# Altium PCB PuttPilot-Master.PcbDoc (part 1 of 2) (continued)
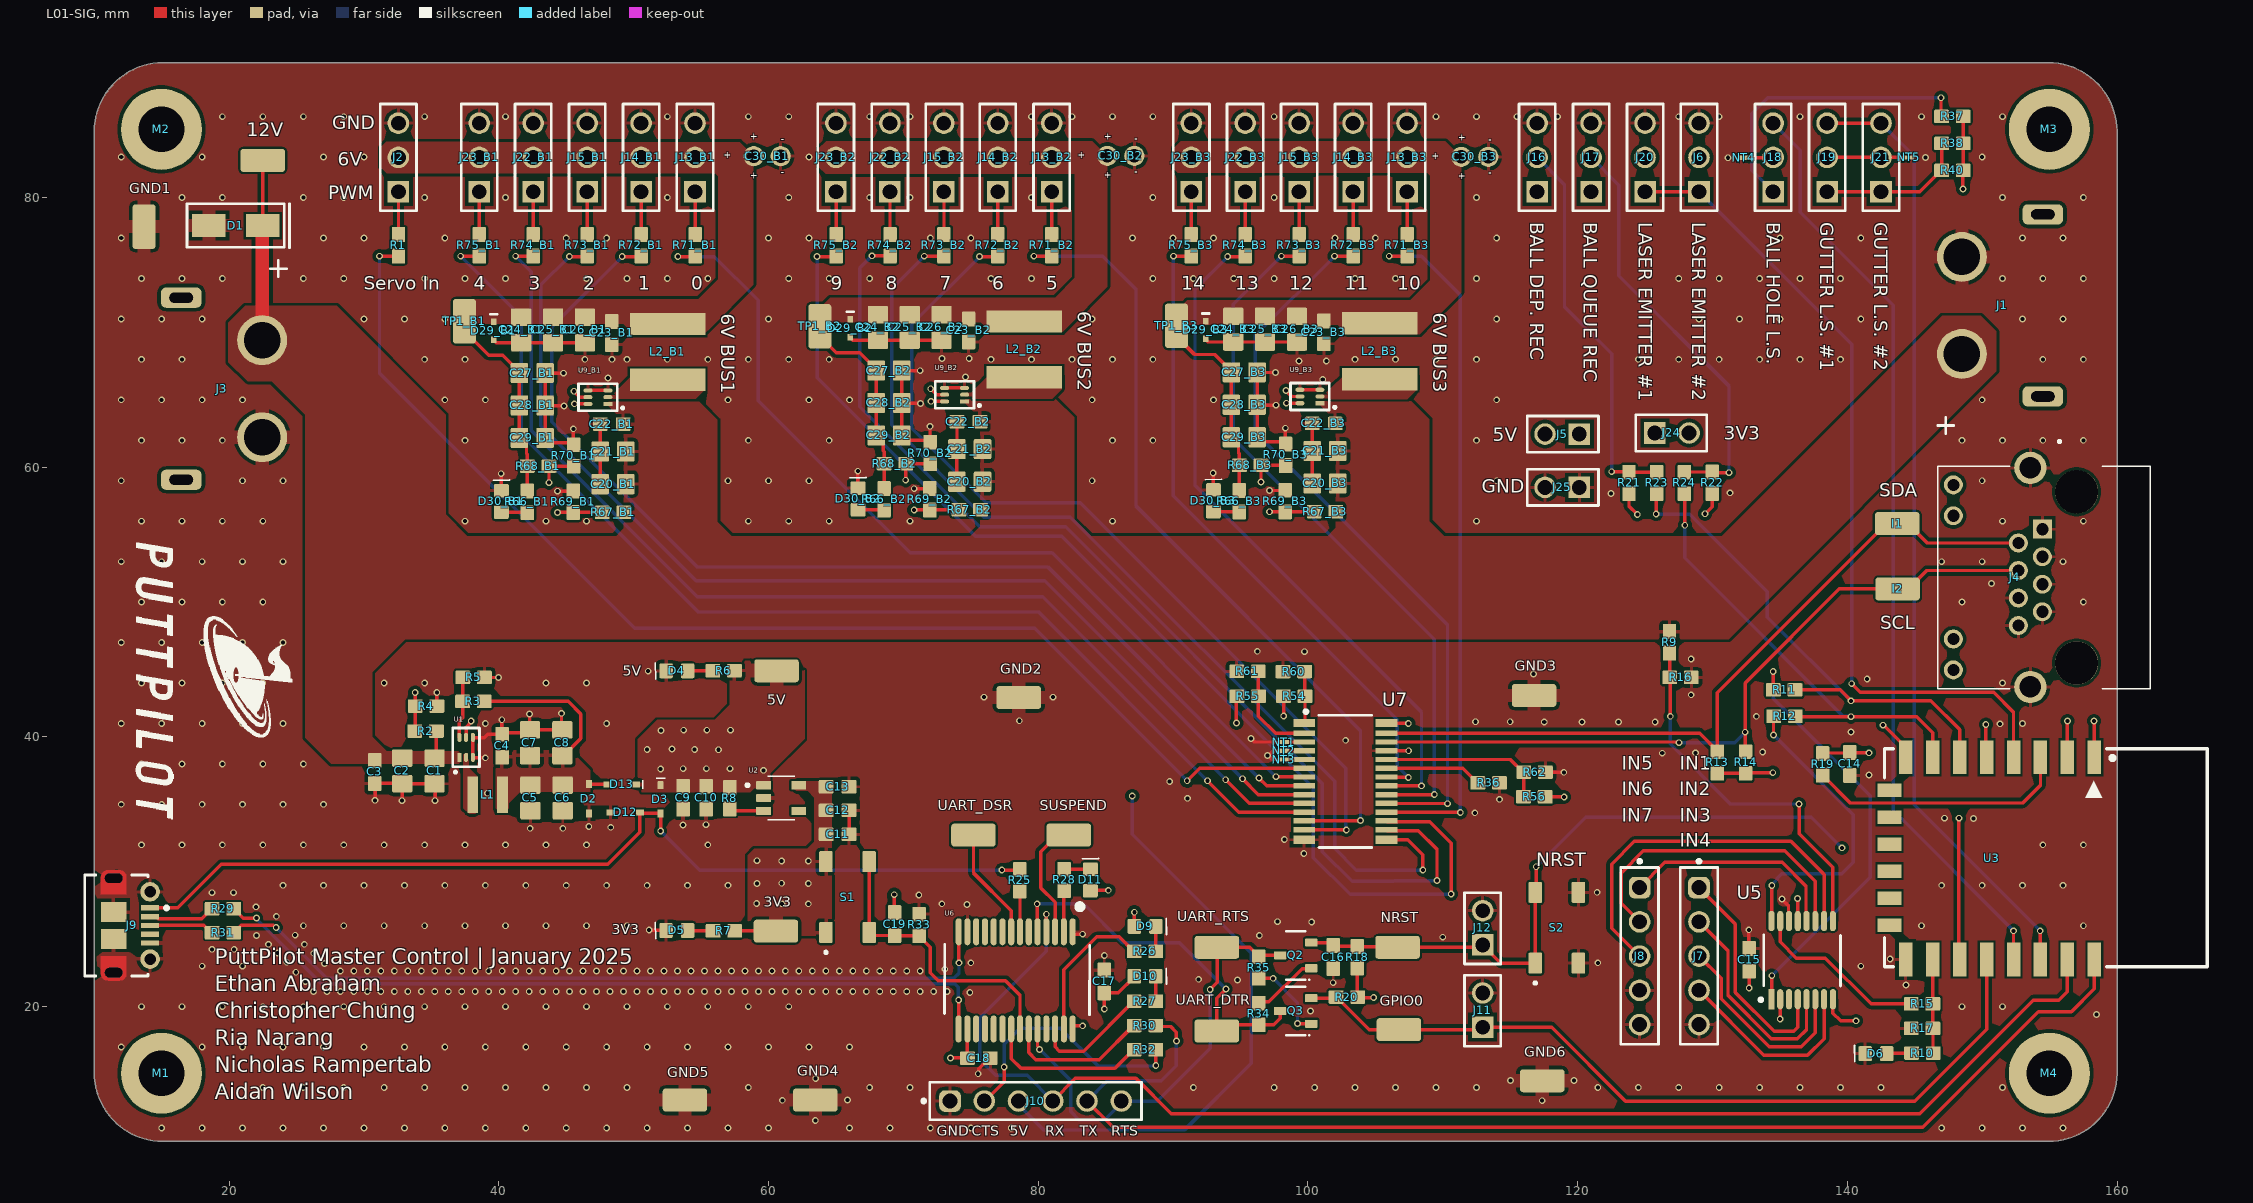
[diagram p0: L01-SIG view]
## Part data (continued)
C9 C10 C12 C13: "CAP CER 1uF 25V X7R 0603", Capacitance=1uF, Capacitor Type=Ceramic, Manufacturer=Murata, Max Operating Temperature=125°C, Min Operating Temperature=-55°C, Negative Tolerance=10%, Package Shape=Rectangular, Rated DC Voltage (URdc)=25V, Supplier Part Number 1=6183026, Temperature Characteristics Code=X7R, Category="Ceramic Capacitors", ComponentLink1Description=https://datasheet.ciiva.com:443/pdfs/VipMasterIC/IC/MURE/MURE-S-A0004410517/MURE-S-A0004413605-1.pdf?src-supplier=IHS+Markit, ComponentLink1URL=https://datasheet.ciiva.com:443/pdfs/VipMasterIC/IC/MURE/MURE-S-A0004410517/MURE-S-A0004413605-1.pdf?src-supplier=IHS+Markit, ComponentLink2Description=http://www.farnell.com/datasheets/2165962.pdf?src-supplier=Farnell, ComponentLink2URL=http://www.farnell.com/datasheets/2165962.pdf?src-supplier=Farnell, ComponentLink3Description=https://datasheet.octopart.com/GRT188R71E105KE13D-Murata-datasheet-149523601.pdf?src-supplier=Farnell, ComponentLink3URL=https://datasheet.octopart.com/GRT188R71E105KE13D-Murata-datasheet-149523601.pdf?src-supplier=Farnell, ComponentLink4Description=https://datasheet.octopart.com/GRT188R71E105KE13D-Murata-datasheet-67697754.pdf?src-supplier=Newark, ComponentLink4URL=https://datasheet.octopart.com/GRT188R71E105KE13D-Murata-datasheet-67697754.pdf?src-supplier=Newark, ComponentLink5Description=https://datasheet.octopart.com/GRT188R71E105KE13D-Murata-datasheet-165579666.pdf?src-supplier=TME, ComponentLink5URL=https://datasheet.octopart.com/GRT188R71E105KE13D-Murata-datasheet-165579666.pdf?src-supplier=TME, Dielectric Material=Ceramic, JESD-609 Code=e3, Manufacturer Part Number=GRT188R71E105KE13D, Mount="Surface Mount", Multilayer=Yes, Number of Pins=2, Packaging="Tape and Reel", Positive Tolerance=10%, Pricing 1="4000=0.0164, 12000=0.0158, 20000=0.0155, 80000=0.0148, 120000=0.0144 (USD)", Reach SVHC Compliant=Yes, Reference Standard=AEC-Q200, RoHS=Yes, RoHS Compliant=Yes, Size Code=0603, Stock 1=236000, Supplier 1="Future Electronics", Terminal Finish=Nickel, Termination=Wraparound
C19: "CAP CER 0.01uF 100V X7R", Capacitance=10nF, Case Code (Imperial)=0603, Case Code (Metric)=1608, Dielectric=X7R, Manufacturer=Murata, Max Operating Temperature=125°C, Min Operating Temperature=-55°C, Package Quantity=1, Ratings=AEC-Q200, Supplier Part Number 1=5029232, Tolerance=10%, Voltage=100V, Case/Package=0603, Category="Ceramic Capacitors", ComponentLink1Description=https://datasheet.ciiva.com/132/product-132907.pdf?src-supplier=Digikey, ComponentLink1URL=https://datasheet.ciiva.com/132/product-132907.pdf?src-supplier=Digikey, ComponentLink2Description=https://datasheet.ciiva.com/132/product-132908.pdf?src-supplier=Digikey, ComponentLink2URL=https://datasheet.ciiva.com/132/product-132908.pdf?src-supplier=Digikey, ComponentLink3Description=https://datasheet.ciiva.com/132/product-132909.pdf?src-supplier=Digikey, ComponentLink3URL=https://datasheet.ciiva.com/132/product-132909.pdf?src-supplier=Digikey, ComponentLink4Description=https://datasheet.ciiva.com/16497/product-16497251.pdf?src-supplier=Future+Electronics, ComponentLink4URL=https://datasheet.ciiva.com/16497/product-16497251.pdf?src-supplier=Future+Electronics, ComponentLink5Description=https://datasheet.ciiva.com/18183/getdatasheetpartid-178890-18183651.pdf?src-supplier=Verical, ComponentLink5URL=https://datasheet.ciiva.com/18183/getdatasheetpartid-178890-18183651.pdf?src-supplier=Verical, ComponentLink6Description=https://datasheet.ciiva.com/11786/0900766b80ef92d0-11786108.pdf?src-supplier=Rs, ComponentLink6URL=https://datasheet.ciiva.com/11786/0900766b80ef92d0-11786108.pdf?src-supplier=Rs, ComponentLink7Description=https://datasheet.ciiva.com/11619/product-11619719.pdf?src-supplier=Avnet, ComponentLink7URL=https://datasheet.ciiva.com/11619/product-11619719.pdf?src-supplier=Avnet, Construction=Flat, Depth=0.8mm, Height=0.8mm, Lead Free="Lead Free", Length=1.6mm, Manufacturer Part Number=GCM188R72A103KA37D, Material=Ceramic, Mount="Surface Mount", Packaging="Tape and Reel", Pricing 1="4000=0.0077, 16000=0.0074, 60000=0.0071, 100000=0.007, 200000=0.0068 (USD)", Radiation Hardening=No, Reach SVHC Compliant=No, RoHS=Yes, RoHS Compliant=Yes, Series=GCM, Stock 1=4568000, Supplier 1="Future Electronics", Termination=SMD/SMT, Thickness=0.035inch, Voltage Rating=100V, Voltage Rating (DC)=100V, Width=0.031inch
C30_B1 C30_B2 C30_B3: "CAP ALUM 100uF 10V RAD THT"
D1: "TVS DIODE 12VWM", Breakdown Voltage-Nom=14V, Clamping Voltage-Max=19.9V, Manufacturer=Diodes, Max Breakdown Voltage=14.7V, Max Operating Temperature=150°C, Max Power Dissipation=1W, Min Breakdown Voltage=13.3V, Min Operating Temperature=-55°C, Non-rep Peak Rev Power Dis-Max=400W, Package Body Material=Plastic, Package Shape=Rectangular, Package Style="SMALL OUTLINEMeter", Peak Reflow Temperature (Cel)=260°C, Rep Pk Reverse Voltage-Max=12V, Supplier Part Number 1=SMAJ12A-FDICT-ND, Time @ Peak Reflow Temperature-Max (s)=40s, Additional Feature="EXCELLENT CLAMPING CAPABILITY", Category="TVS Diodes", ComponentLink1Description=https://datasheet.ciiva.com:443/pdfs/VipMasterIC/IC/DIOD/DIOD-S-A0009689838/DIOD-S-A0009691421-1.pdf?src-supplier=IHS+Markit, ComponentLink1URL=https://datasheet.ciiva.com:443/pdfs/VipMasterIC/IC/DIOD/DIOD-S-A0009689838/DIOD-S-A0009691421-1.pdf?src-supplier=IHS+Markit, ComponentLink2Description=https://datasheet.ciiva.com/15143/getdatasheetpartid-164236-15143864.pdf?src-supplier=Verical, ComponentLink2URL=https://datasheet.ciiva.com/15143/getdatasheetpartid-164236-15143864.pdf?src-supplier=Verical, Diode Element Material=SILICON, Diode Type="TRANS VOLTAGE SUPPRESSOR", JESD-30 Code=R-PDSO-C2, JESD-609 Code=e3, Manufacturer Part Number=SMAJ12A-13-F, Moisture Sensitivity Level=1, Number of Elements=1, Number of Pins=2, Polarity=Unidirectional, Pricing 1="1=0.29, 10=0.197, 100=0.1322, 500=0.1019, 1000=0.09178, 2000=0.08313 (USD)", Qualification Status="Not Qualified", Reach SVHC Compliant=No, RoHS=Yes, RoHS Compliant=Yes, Stock 1=25706, Supplier 1=Digikey, Surface Mount=Yes, Technology=AVALANCHE, Terminal Finish=Tin, Terminal Form="C BEND", Terminal Position=DUAL
D2 D12: "TVS DIODE 5VWM", Manufacturer=Diodes, Max Breakdown Voltage=9.5V, Max Operating Temperature=150°C, Max Power Dissipation=250mW, Min Breakdown Voltage=5.5V, Min Operating Temperature=-65°C, Package Body Material=Plastic, Package Shape=Rectangular, Package Style="SMALL OUTLINEMeter", Rep Pk Reverse Voltage-Max=5V, Supplier Part Number 1=8076210, Category="TVS Diodes", ComponentLink1Description=https://datasheet.ciiva.com:443/pdfs/VipMasterIC/IC/DIOD/DIOD-S-A0002833665/DIOD-S-A0002833261-1.pdf?src-supplier=IHS+Markit, ComponentLink1URL=https://datasheet.ciiva.com:443/pdfs/VipMasterIC/IC/DIOD/DIOD-S-A0002833665/DIOD-S-A0002833261-1.pdf?src-supplier=IHS+Markit, ComponentLink2Description=http://www.farnell.com/datasheets/2814368.pdf?src-supplier=Farnell, ComponentLink2URL=http://www.farnell.com/datasheets/2814368.pdf?src-supplier=Farnell, ComponentLink3Description=http://www.mouser.com/ds/2/115/DESD5V0U1BA-756900.pdf?src-supplier=Mouser, ComponentLink3URL=http://www.mouser.com/ds/2/115/DESD5V0U1BA-756900.pdf?src-supplier=Mouser, ComponentLink4Description=http://www.farnell.com/datasheets/2814368.pdf?src-supplier=Element14, ComponentLink4URL=http://www.farnell.com/datasheets/2814368.pdf?src-supplier=Element14, ComponentLink5Description=http://www.farnell.com/datasheets/2814368.pdf?src-supplier=Newark, ComponentLink5URL=http://www.farnell.com/datasheets/2814368.pdf?src-supplier=Newark, ComponentLink6Description=https://www.diodes.com/assets/Datasheets/DESD5V0U1BA.pdf?src-supplier=Digikey, ComponentLink6URL=https://www.diodes.com/assets/Datasheets/DESD5V0U1BA.pdf?src-supplier=Digikey, Diode Element Material=SILICON, Diode Type="TRANS VOLTAGE SUPPRESSOR", JESD-30 Code=R-PDSO-G2, Manufacturer Part Number=DESD5V0U1BA-7, Number of Elements=1, Number of Pins=2, Polarity=Bidirectional, Pricing 1="3000=0.0283, 12000=0.0271, 30000=0.0263, 75000=0.0256, 120000=0.0244 (USD)", Reach SVHC Compliant=Yes, Reference Standard=IEC-61000-4-2, RoHS=Yes, RoHS Compliant=Yes, Stock 1=54000, Supplier 1="Future Electronics", Surface Mount=Yes, Technology=AVALANCHE, Terminal Form="Gull Wing", Terminal Position=DUAL
D3 D13: "DIODE SCHOTTKY 10V 3A SOD323", Max Current=3A, Max Voltage=10V
D4 D5 D6 D9 D10 D11 D30_B1 D30_B2 D30_B3: "LED GREEN 2V 0603", Color=Green, Forward Current-Max=30mA, Forward Voltage-Max=2.4V, Manufacturer="Vishay Lite-On", Max Operating Temperature=85°C, Min Operating Temperature=-55°C, Reverse Voltage-Max=5V, Supplier Part Number 1=160-1446-1-ND, Color@wavelength=Green, ComponentLink1Description=https://datasheet.ciiva.com:443/pdfs/VipMasterIC/IC/LITE/LITE-S-A0003156116/LITE-S-A0003156116-1.pdf?src-supplier=IHS+Markit, ComponentLink1URL=https://datasheet.ciiva.com:443/pdfs/VipMasterIC/IC/LITE/LITE-S-A0003156116/LITE-S-A0003156116-1.pdf?src-supplier=IHS+Markit, ComponentLink2Description=https://datasheet.ciiva.com/2109/ltst-c191kgkt-2109973.pdf?src-supplier=Digikey, ComponentLink2URL=https://datasheet.ciiva.com/2109/ltst-c191kgkt-2109973.pdf?src-supplier=Digikey, JESD-609 Code=e3, Lens Style="WATER CLEAR", Luminous Intensity-Nom=35mcd, Manufacturer Part Number=LTST-C191KGKT, Mount="Surface Mount", Number of Functions=1, Number of Pins=2, Optoelectronic Device Type="SINGLE COLOR LED", Overall Height=0.55mm, Packaging="Tape and Reel", Pricing 1="1=0.22, 10=0.121, 100=0.0721, 500=0.05324, 1000=0.04748, 2000=0.04278 (USD)", Reach SVHC Compliant=Yes, RoHS=Yes, RoHS Compliant=Yes, Shape=Rectangular, Size=1.1mm, Stock 1=171853, Supplier 1=Digikey, Terminal Finish=Tin, Terminal Pitch=1.5mm, Viewing Angle=130°
D29_B1 D29_B2 D29_B3: "DIODE TVS 6VWM", Clamping Voltage-Max=12.4V, Manufacturer="ON Semiconductor", Max Operating Temperature=150°C, Max Power Dissipation=200mW, Min Breakdown Voltage=6.8V, Min Operating Temperature=-55°C, Non-rep Peak Rev Power Dis-Max=181W, Package Body Material=Plastic, Package Shape=Rectangular, Package Style="SMALL OUTLINEMeter", Peak Reflow Temperature (Cel)=260°C, Rep Pk Reverse Voltage-Max=6V, Supplier Part Number 1=6072663, Time @ Peak Reflow Temperature-Max (s)=40s, Additional Feature="UL RECOGNIZED", Category="ESD and Circuit Protection ICs", ComponentLink1Description=https://datasheet.ciiva.com:443/pdfs/VipMasterIC/IC/ONSM/ONSM-S-A0006325923/ONSM-S-A0006325923-1.pdf?src-supplier=IHS+Markit, ComponentLink1URL=https://datasheet.ciiva.com:443/pdfs/VipMasterIC/IC/ONSM/ONSM-S-A0006325923/ONSM-S-A0006325923-1.pdf?src-supplier=IHS+Markit, ComponentLink2Description=https://datasheet.ciiva.com/30478/0900766b8125092b-30478790.pdf?src-supplier=Rs, ComponentLink2URL=https://datasheet.ciiva.com/30478/0900766b8125092b-30478790.pdf?src-supplier=Rs, ComponentLink3Description=https://datasheet.ciiva.com/4510/esd5z2-5t1-d-241596-4510609.pdf?src-supplier=Mouser, ComponentLink3URL=https://datasheet.ciiva.com/4510/esd5z2-5t1-d-241596-4510609.pdf?src-supplier=Mouser, ComponentLink4Description=https://datasheet.ciiva.com/15143/getdatasheetpartid-148103-15143777.pdf?src-supplier=Verical, ComponentLink4URL=https://datasheet.ciiva.com/15143/getdatasheetpartid-148103-15143777.pdf?src-supplier=Verical, ComponentLink5Description=https://datasheet.ciiva.com/22642/1878252-22642024.pdf?src-supplier=Element14, ComponentLink5URL=https://datasheet.ciiva.com/22642/1878252-22642024.pdf?src-supplier=Element14, ComponentLink6Description=https://datasheet.ciiva.com/340/esd5z2-5t1-d-340699.pdf?src-supplier=Digikey, ComponentLink6URL=https://datasheet.ciiva.com/340/esd5z2-5t1-d-340699.pdf?src-supplier=Digikey, ComponentLink7Description=https://datasheet.ciiva.com/340/esd5z2-5t1-d-340700.pdf?src-supplier=Digikey, ComponentLink7URL=https://datasheet.ciiva.com/340/esd5z2-5t1-d-340700.pdf?src-supplier=Digikey, ComponentLink8Description=https://datasheet.ciiva.com/340/esd5z2-5t1-d-340701.pdf?src-supplier=Digikey, ComponentLink8URL=https://datasheet.ciiva.com/340/esd5z2-5t1-d-340701.pdf?src-supplier=Digikey, ComponentLink9Description=https://datasheet.ciiva.com/3304/esd5z2-5t1-d-3304009.pdf?src-supplier=Avnet, ComponentLink9URL=https://datasheet.ciiva.com/3304/esd5z2-5t1-d-3304009.pdf?src-supplier=Avnet, Diode Element Material=SILICON, Diode Type="TRANS VOLTAGE SUPPRESSOR", JESD-30 Code=R-PDSO-F2, JESD-609 Code=e3, Manufacturer Part Number=ESD5Z6.0T1G, Moisture Sensitivity Level=1, Number of Elements=1, Number of Pins=2, Polarity=Unidirectional, Pricing 1="3000=0.0199, 12000=0.0191, 45000=0.0183, 75000=0.018, 150000=0.0171 (USD)", Qualification Status="Not Qualified", Reach SVHC Compliant=Yes, Reference Standard=IEC-61000-4-2, RoHS=Yes, RoHS Compliant=Yes, Stock 1=543000, Supplier 1="Future Electronics", Surface Mount=Yes, Technology=AVALANCHE, Terminal Finish=Tin, Terminal Form=Flat, Terminal Position=DUAL
J1 J3: "XT60PW Male", Manufacturer=Unclassified, Supplier Part Number 1=1805375, Manufacturer Part Number=XT60PW-M
J2 J6 J13_B1 J13_B2 J13_B3 J14_B1 J14_B2 J14_B3 J15_B1 J15_B2 J15_B3 J16 J17 J18 J19 J20 J21 J22_B1 J22_B2 J22_B3 J23_B1 J23_B2 J23_B3: "CONN HEADER VERT 3POS 2.54MM", Manufacturer=Sullins, Manufacturer Series=PRP, Max Operating Temperature=105°C, Min Operating Temperature=-40°C, Rated Current (Signal)=3A, Supplier Part Number 1=S1011EC-02-ND, Body Breadth=0.1inch, Body Depth=0.1inch, Body Length=4inch, Category="Headers and Wire Housings", ComponentLink1Description=https://datasheet.ciiva.com:443/pdfs/VipMasterIC/IC/SUCS/SUCSS00322/SUCSS00322-1.pdf?src-supplier=IHS+Markit, ComponentLink1URL=https://datasheet.ciiva.com:443/pdfs/VipMasterIC/IC/SUCS/SUCSS00322/SUCSS00322-1.pdf?src-supplier=IHS+Markit, ComponentLink2Description=https://datasheet.ciiva.com/16477/prpc040saan-rc-16477647.pdf?src-supplier=Future+Electronics, ComponentLink2URL=https://datasheet.ciiva.com/16477/prpc040saan-rc-16477647.pdf?src-supplier=Future+Electronics, ComponentLink3Description=https://datasheet.ciiva.com/741/xrxczzzsxxn-rc-st-11635-b-741205.pdf?src-supplier=Digikey, ComponentLink3URL=https://datasheet.ciiva.com/741/xrxczzzsxxn-rc-st-11635-b-741205.pdf?src-supplier=Digikey, Connector Type="BOARD CONNECTOR", Contact Finish - Mating="AU ON NI", Contact Finish - Termination="Gold (Au) - with Nickel (Ni) barrier", Contact Gender=Male, Contact Material=Brass, Contact Pattern=RECTANGULAR, Contact Style="SQ PIN-SKT", Insulation Material=Polybutylene, JESD-609 Code=e4, Manufacturer Part Number=PRPC040SAAN-RC, Mating Contact Pitch=0.1inch, Mount=Board, Mounting Style=STRAIGHT, Number Of Connectors=1, Number of Contacts=40, Number Of PCB Rows=1, Number of Rows Loaded=1, PCB Contact Pattern=RECTANGULAR, Pricing 1="1=0.42, 10=0.316, 100=0.2417, 500=0.2017, 1000=0.18701, 5000=0.15795, 10000=0.14845 (USD)", Reach SVHC Compliant=Yes, Reference Standard=UL, Reliability=COMMERCIAL, RoHS=Yes, RoHS Compliant=Yes, Stock 1=73516, Supplier 1=Digikey, Terminal Length=0.12inch, Terminal Pitch=2.54mm, Termination=Solder
J4: "RJ45 JACK R/A SHIELDED", Manufacturer="Adam Equipment", Supplier Part Number 1=2057-MTJ-88ARX1-FSM-LG-ND, Category=Connectors, ComponentLink1Description=http://www.adam-tech.com/downloader.php?p=MTJ-88ARX1-FSM-LX.pdf&src-supplier=Digikey, ComponentLink1URL=http://www.adam-tech.com/downloader.php?p=MTJ-88ARX1-FSM-LX.pdf&src-supplier=Digikey, Manufacturer Part Number=MTJ-88ARX1-FSM-LG, Pricing 1="1=0.99, 10=0.756, 25=0.68, 60=0.61483, 120=0.56858, 240=0.52642, 480=0.48815, 960=0.4534, 2400=0.41238 (USD)", RoHS=No, Stock 1=4560, Supplier 1=Digikey
J5 J11 J12 J24 J25: library part PRPC040SAAN-RC_POS2, "CONN HEADER VERT 2POS 2.54MM", Manufacturer=Sullins, Manufacturer Series=PRP, Max Operating Temperature=105°C, Min Operating Temperature=-40°C, Rated Current (Signal)=3A, Supplier Part Number 1=S1011EC-02-ND, Body Breadth=0.1inch, Body Depth=0.1inch, Body Length=4inch, Category="Headers and Wire Housings", ComponentLink1Description=https://datasheet.ciiva.com:443/pdfs/VipMasterIC/IC/SUCS/SUCSS00322/SUCSS00322-1.pdf?src-supplier=IHS+Markit, ComponentLink1URL=https://datasheet.ciiva.com:443/pdfs/VipMasterIC/IC/SUCS/SUCSS00322/SUCSS00322-1.pdf?src-supplier=IHS+Markit, ComponentLink2Description=https://datasheet.ciiva.com/16477/prpc040saan-rc-16477647.pdf?src-supplier=Future+Electronics, ComponentLink2URL=https://datasheet.ciiva.com/16477/prpc040saan-rc-16477647.pdf?src-supplier=Future+Electronics, ComponentLink3Description=https://datasheet.ciiva.com/741/xrxczzzsxxn-rc-st-11635-b-741205.pdf?src-supplier=Digikey, ComponentLink3URL=https://datasheet.ciiva.com/741/xrxczzzsxxn-rc-st-11635-b-741205.pdf?src-supplier=Digikey, Connector Type="BOARD CONNECTOR", Contact Finish - Mating="AU ON NI", Contact Finish - Termination="Gold (Au) - with Nickel (Ni) barrier", Contact Gender=Male, Contact Material=Brass, Contact Pattern=RECTANGULAR, Contact Style="SQ PIN-SKT", Insulation Material=Polybutylene, JESD-609 Code=e4, Manufacturer Part Number=PRPC040SAAN-RC, Mating Contact Pitch=0.1inch, Mount=Board, Mounting Style=STRAIGHT, Number Of Connectors=1, Number of Contacts=40, Number Of PCB Rows=1, Number of Rows Loaded=1, PCB Contact Pattern=RECTANGULAR, Pricing 1="1=0.42, 10=0.316, 100=0.2417, 500=0.2017, 1000=0.18701, 5000=0.15795, 10000=0.14845 (USD)", Reach SVHC Compliant=Yes, Reference Standard=UL, Reliability=COMMERCIAL, RoHS=Yes, RoHS Compliant=Yes, Stock 1=73516, Supplier 1=Digikey, Terminal Length=0.12inch, Terminal Pitch=2.54mm, Termination=Solder
J7 J8: "CONN HEADER VERT 5POS 2.54MM"
J9: "CONN USB MICRO B R/A", Contact Resistance=30mR, Dielectric Withstanding Voltage (AC)=100V, Insulation Resistance=1GR, Manufacturer=Molex, Max Operating Temperature=85°C, Min Operating Temperature=-30°C, Rated Current (Signal)=1.8A, Supplier Part Number 1=78R1699, Additional Feature=Shielded, Board Mounting Option=PEG, Body Breadth=0.114inch, Body Depth=0.213inch, Body Length=0.315inch, Body/Shell Style=RECEPTACLE, Category="USB Connectors", ComponentLink1Description=https://datasheet.ciiva.com:443/pdfs/VipMasterIC/IC/MOLE/MOLE-S-A0006795785/MOLE-S-A0006864883-1.pdf?src-supplier=IHS+Markit, ComponentLink1URL=https://datasheet.ciiva.com:443/pdfs/VipMasterIC/IC/MOLE/MOLE-S-A0006795785/MOLE-S-A0006864883-1.pdf?src-supplier=IHS+Markit, ComponentLink2Description=https://datasheet.ciiva.com/30165/235271050170001-io-nectors-30165183.pdf?src-supplier=Onlinecomponents.com, ComponentLink2URL=https://datasheet.ciiva.com/30165/235271050170001-io-nectors-30165183.pdf?src-supplier=Onlinecomponents.com, ComponentLink3Description=https://datasheet.ciiva.com/5742/1598502-5742508.pdf?src-supplier=Farnell, ComponentLink3URL=https://datasheet.ciiva.com/5742/1598502-5742508.pdf?src-supplier=Farnell, Connector Type="TELECOM AND DATACOM CONNECTOR", Contact Finish - Mating=GOLD, Contact Finish - Termination="Gold (Au) - with Nickel (Ni) barrier", Contact Gender=Female, Contact Material="Copper Alloy", Contact Style=USB, DIN Conformance=No, Durability=10000Cycles, Empty Shell=No, Filter Feature=No, IEC Conformance=No, Insulation Material=Polymer, JESD-609 Code=e4, Manufacturer Part Number=1050170001, MIL Conformance=No, Mixed Contacts=No, Mount=Cable, Mounting Option 1=DETENT, Mounting Option 2=LOCKING, Mounting Style="RIGHT ANGLE", Number Of Connectors=1, Number of Contacts=5, Number Of PCB Rows=1, Option="General Purpose", PCB Contact Pattern=RECTANGULAR, Polarization Key="POLARIZED HOUSING", Pricing 1="1=1.14, 25=0.962, 100=0.813, 250=0.812, 1000=0.663 (USD)", Reach SVHC Compliant=Yes, Reference Standard=UL, Reliability=COMMERCIAL, RoHS=Yes, RoHS Compliant=Yes, Shell Finish=Tin, Shell Material="Stainless Steel", Stock 1=6195, Supplier 1=Avnet, Terminal Pitch=0.635mm, Termination=SMD/SMT
J10: "CONN HEADER VERT 6POS 2.54MM"
L1: "FIXED IND 4.7uH 1.06A", Case/Size Code=1212, DC Resistance (DCR)=130m, Inductance-Nom (L)=4.7uH, Inductor Application="POWER INDUCTOR", Inductor Type="GENERAL PURPOSE INDUCTOR", Manufacturer="Taiyo Yuden", Max Operating Temperature=120°C, Min Operating Temperature=-25°C, Package Height=1.2mm, Package Length=3mm, Package Style=SMTMeter, Rated Current-Max=1.06A, Self Resonant Frequency=50MHz, Supplier Part Number 1=587-2591-1-ND, Test Frequency=100kHz, Tolerance=20%, Category="Fixed Inductors", ComponentLink1Description=https://datasheet.ciiva.com:443/pdfs/VipMasterIC/IC/TAIY/TAIY-S-A0009100136/TAIY-S-A0009100438-1.pdf?src-supplier=IHS+Markit, ComponentLink1URL=https://datasheet.ciiva.com:443/pdfs/VipMasterIC/IC/TAIY/TAIY-S-A0009100136/TAIY-S-A0009100438-1.pdf?src-supplier=IHS+Markit, ComponentLink2Description=https://datasheet.ciiva.com/6689/nrh3012t4r7mn-ss-6689125.pdf?src-supplier=Digikey, ComponentLink2URL=https://datasheet.ciiva.com/6689/nrh3012t4r7mn-ss-6689125.pdf?src-supplier=Digikey, ComponentLink3Description=https://datasheet.ciiva.com/25607/0900766b810b3cd2-25607859.pdf?src-supplier=Rs, ComponentLink3URL=https://datasheet.ciiva.com/25607/0900766b810b3cd2-25607859.pdf?src-supplier=Rs, ComponentLink4Description=https://datasheet.ciiva.com/8502/nrh3012t4r7mn-ss-8502637.pdf?src-supplier=Avnet, ComponentLink4URL=https://datasheet.ciiva.com/8502/nrh3012t4r7mn-ss-8502637.pdf?src-supplier=Avnet, ComponentLink5Description=https://datasheet.ciiva.com/8002/wound04-e-8002198.pdf?src-supplier=Element14, ComponentLink5URL=https://datasheet.ciiva.com/8002/wound04-e-8002198.pdf?src-supplier=Element14, Construction=Chip, Core Material=Ferrite, Manufacturer Part Number=NRH3012T4R7MN, Number of Functions=1, Number of Pins=2, Package Width=3mm, Packaging="Tape and Reel", Pricing 1="1=0.22, 10=0.174, 25=0.1572, 50=0.1458, 100=0.1351, 250=0.12216, 500=0.1132, 1000=0.10487 (USD)", Reach SVHC Compliant=Yes, RoHS=Yes, RoHS Compliant=Yes, Shape/Size Description="RECTANGULAR PACKAGE", Shielding=Shielded, Stock 1=136715, Supplier 1=Digikey, Surface Mount=Yes, Terminal Placement="Dual Ended", Termination="One Surface"
L2_B1 L2_B2 L2_B3: "FIXED IND 5.6uH 10A 15.8mOhm", Current Rating=10A, DC Resistance=15.8m, Inductance=5.6uH, Inductor Type="GENERAL PURPOSE INDUCTOR", Manufacturer=Bourns, Supplier Part Number 1=SRP6060FA-5R6MCT-ND, Category="Fixed Inductors", ComponentLink1Description=https://datasheet.ciiva.com:443/pdfs/VipMasterIC/IC/BOUR/BOUR-S-A0006601820/BOUR-S-A0006601820-1.pdf?src-supplier=IHS+Markit, ComponentLink1URL=https://datasheet.ciiva.com:443/pdfs/VipMasterIC/IC/BOUR/BOUR-S-A0006601820/BOUR-S-A0006601820-1.pdf?src-supplier=IHS+Markit, ComponentLink2Description=https://www.bourns.com/docs/Product-Datasheets/SRP6060FA.pdf?src-supplier=Digikey, ComponentLink2URL=https://www.bourns.com/docs/Product-Datasheets/SRP6060FA.pdf?src-supplier=Digikey, ComponentLink3Description=https://datasheet.octopart.com/SRP6060FA-5R6M-Bourns-datasheet-154834317.pdf?src-supplier=Electro+Sonic, ComponentLink3URL=https://datasheet.octopart.com/SRP6060FA-5R6M-Bourns-datasheet-154834317.pdf?src-supplier=Electro+Sonic, ComponentLink4Description=https://datasheet.octopart.com/SRP6060FA-5R6M-Bourns-datasheet-110646386.pdf?src-supplier=Master+Electronics, ComponentLink4URL=https://datasheet.octopart.com/SRP6060FA-5R6M-Bourns-datasheet-110646386.pdf?src-supplier=Master+Electronics, Manufacturer Part Number=SRP6060FA-5R6M, Pricing 1="1=1.86, 10=1.444, 25=1.3052, 50=1.209, 100=1.1199, 250=1.01164 (USD)", Reach SVHC Compliant=Yes, RoHS=Yes, RoHS Compliant=Yes, Stock 1=1553, Supplier 1=Digikey
M1 M2 M3 M4: ".HOLE M3"
NT1 NT2 NT3 NT4 NT5: ".GENERIC NET TIE"
Q2 Q3: "NPN BJT 40V 600mA SOT-23", Collector-emitter Voltage-Max=40V, DC Current Gain-Min (hFE)=40, Manufacturer=Diodes, Max Collector Current=600mA, Max Operating Temperature=150°C, Package Body Material=Plastic, Package Shape=Rectangular, Package Style="SMALL OUTLINEMeter", Peak Reflow Temperature (Cel)=260°C, Power Dissipation-Max (Abs)=300mW, Supplier Part Number 1=4135070, Time @ Peak Reflow Temperature-Max (s)=40s, Transition Frequency-Nom (fT)=300MHz, Additional Feature="HIGH RELIABILITY", Category=BJTs, ComponentLink1Description=https://datasheet.ciiva.com:443/pdfs/VipMasterIC/IC/DIOD/DIOD-S-A0001811952/DIOD-S-A0001811952-1.pdf?src-supplier=IHS+Markit, ComponentLink1URL=https://datasheet.ciiva.com:443/pdfs/VipMasterIC/IC/DIOD/DIOD-S-A0001811952/DIOD-S-A0001811952-1.pdf?src-supplier=IHS+Markit, ComponentLink2Description=https://datasheet.ciiva.com/15139/getdatasheetpartid-82692-15139078.pdf?src-supplier=Verical, ComponentLink2URL=https://datasheet.ciiva.com/15139/getdatasheetpartid-82692-15139078.pdf?src-supplier=Verical, ComponentLink3Description=https://datasheet.ciiva.com/11198/ds30041-11198965.pdf?src-supplier=Avnet, ComponentLink3URL=https://datasheet.ciiva.com/11198/ds30041-11198965.pdf?src-supplier=Avnet, ComponentLink4Description=https://datasheet.ciiva.com/11201/ds30041-11201864.pdf?src-supplier=Avnet, ComponentLink4URL=https://datasheet.ciiva.com/11201/ds30041-11201864.pdf?src-supplier=Avnet, ComponentLink5Description=https://datasheet.ciiva.com/972/ds30041-972550.pdf?src-supplier=Digikey, ComponentLink5URL=https://datasheet.ciiva.com/972/ds30041-972550.pdf?src-supplier=Digikey, ComponentLink6Description=https://datasheet.ciiva.com/972/ds30041-972551.pdf?src-supplier=Digikey, ComponentLink6URL=https://datasheet.ciiva.com/972/ds30041-972551.pdf?src-supplier=Digikey, ComponentLink7Description=https://datasheet.ciiva.com/972/ds30041-972552.pdf?src-supplier=Digikey, ComponentLink7URL=https://datasheet.ciiva.com/972/ds30041-972552.pdf?src-supplier=Digikey, ComponentLink8Description=https://datasheet.ciiva.com/16199/ds30041-16199045.pdf?src-supplier=Future+Electronics, ComponentLink8URL=https://datasheet.ciiva.com/16199/ds30041-16199045.pdf?src-supplier=Future+Electronics, ComponentLink9Description=https://datasheet.ciiva.com/8029/ds30041-8029709.pdf?src-supplier=Element14, ComponentLink9URL=https://datasheet.ciiva.com/8029/ds30041-8029709.pdf?src-supplier=Element14, JESD-30 Code=R-PDSO-G3, JESD-609 Code=e3, Manufacturer Part Number=MMBT2222A-7-F, Moisture Sensitivity Level=1, Number of Elements=1, Number of Pins=3, Polarity/Channel Type=NPN, Pricing 1="3000=0.013, 12000=0.0124, 30000=0.0121, 75000=0.0117, 120000=0.0112 (USD)", Qualification Status="Not Qualified", Reach SVHC Compliant=Yes, Reference Standard=AEC-Q101, RoHS=Yes, RoHS Compliant=Yes, Stock 1=6903000, Supplier 1="Future Electronics", Surface Mount=Yes, Terminal Finish=Tin, Terminal Form="Gull Wing", Terminal Position=DUAL, Transistor Application=SWITCHING, Transistor Element Material=SILICON, Turn-off Time-Max (toff)=285ns, Turn-on Time-Max (ton)=35ns
R1 R71_B1 R71_B2 R71_B3 R72_B1 R72_B2 R72_B3 R73_B1 R73_B2 R73_B3 R74_B1 R74_B2 R74_B3 R75_B1 R75_B2 R75_B3: "RES 240 OHM 0603", Manufacturer=Yageo, Max Operating Temperature=155°C, Min Operating Temperature=-55°C, Package Height=0.45mm, Package Length=1.6mm, Package Shape=Rectangular, Package Style=SMTMeter, Package Width=0.8mm, Rated Power Dissipation (P)=100mW, Rated Temperature=70°C, Resistance=240R, Resistor Type="FIXED RESISTOR", Supplier Part Number 1=5308184, Temperature Coefficient=100ppm/°C, Tolerance=1%, Working Voltage=75V, Additional Feature="LASER TRIMMABLE", Category="Chip SMD Resistors", ComponentLink1Description=https://datasheet.ciiva.com:443/pdfs/VipMasterIC/IC/YAGO/YAGO-S-A0008145938/YAGO-S-A0008145938-1.pdf?src-supplier=IHS+Markit, ComponentLink1URL=https://datasheet.ciiva.com:443/pdfs/VipMasterIC/IC/YAGO/YAGO-S-A0008145938/YAGO-S-A0008145938-1.pdf?src-supplier=IHS+Markit, ComponentLink2Description=https://datasheet.ciiva.com/2508/pyu-r-int-thick-7-2508497.pdf?src-supplier=Digikey, ComponentLink2URL=https://datasheet.ciiva.com/2508/pyu-r-int-thick-7-2508497.pdf?src-supplier=Digikey, ComponentLink3Description=https://datasheet.ciiva.com/2508/pyu-r-int-thick-7-2508498.pdf?src-supplier=Digikey, ComponentLink3URL=https://datasheet.ciiva.com/2508/pyu-r-int-thick-7-2508498.pdf?src-supplier=Digikey, ComponentLink4Description=https://datasheet.ciiva.com/2508/pyu-r-int-thick-7-2508499.pdf?src-supplier=Digikey, ComponentLink4URL=https://datasheet.ciiva.com/2508/pyu-r-int-thick-7-2508499.pdf?src-supplier=Digikey, Construction=Chip, JESD-609 Code=e3, Manufacturer Part Number=RC0603FR-07240RL, Mount="Surface Mount", Number of Pins=2, Packaging="Tape and Reel", Pricing 1="5000=0.0026, 50000=0.0025, 150000=0.0024, 375000=0.0023, 1000000=0.0022 (USD)", Reach SVHC Compliant=Yes, RoHS=Yes, RoHS Compliant=Yes, Size Code=0603, Stock 1=1760000, Supplier 1="Future Electronics", Technology="METAL GLAZE/THICK FILM", Terminal Finish=Nickel, Termination=Wraparound
R2 R67_B1 R67_B2 R67_B3: "RES 20K OHM 0603", Manufacturer=Panasonic, Max Operating Temperature=155°C, Min Operating Temperature=-55°C, Package Height=0.45mm, Package Length=1.6mm, Package Shape=Rectangular, Package Style=SMTMeter, Package Width=0.8mm, Rated Power Dissipation (P)=100mW, Rated Temperature=70°C, Resistance=20k, Resistor Type="FIXED RESISTOR", Supplier Part Number 1=667-ERJ-3EKF2002V, Temperature Coefficient=100ppm/°C, Tolerance=1%, Working Voltage=75V, Category="Chip SMD Resistors", ComponentLink1Description=https://datasheet.ciiva.com:443/pdfs/VipMasterIC/IC/PANA/PANA-S-A0009889626/PANA-S-A0009889626-1.pdf?src-supplier=IHS+Markit, ComponentLink1URL=https://datasheet.ciiva.com:443/pdfs/VipMasterIC/IC/PANA/PANA-S-A0009889626/PANA-S-A0009889626-1.pdf?src-supplier=IHS+Markit, ComponentLink2Description=https://datasheet.ciiva.com/15158/getdatasheetpartid-248555-15158987.pdf?src-supplier=Verical, ComponentLink2URL=https://datasheet.ciiva.com/15158/getdatasheetpartid-248555-15158987.pdf?src-supplier=Verical, ComponentLink3Description=https://datasheet.ciiva.com/28688/1678782-28688604.pdf?src-supplier=Element14, ComponentLink3URL=https://datasheet.ciiva.com/28688/1678782-28688604.pdf?src-supplier=Element14, ComponentLink4Description=https://datasheet.ciiva.com/46377/1678782-46377365.pdf?src-supplier=Element14, ComponentLink4URL=https://datasheet.ciiva.com/46377/1678782-46377365.pdf?src-supplier=Element14, ComponentLink5Description=https://datasheet.ciiva.com/22749/1678782-22749661.pdf?src-supplier=Element14, ComponentLink5URL=https://datasheet.ciiva.com/22749/1678782-22749661.pdf?src-supplier=Element14, ComponentLink6Description=https://datasheet.ciiva.com/30218/aoa0000ce2-30218069.pdf?src-supplier=Onlinecomponents.com, ComponentLink6URL=https://datasheet.ciiva.com/30218/aoa0000ce2-30218069.pdf?src-supplier=Onlinecomponents.com, Construction=Rectangular, JESD-609 Code=e3, Manufacturer Part Number=ERJ-3EKF2002V, Mount="Surface Mount", Number of Pins=2, Packaging="Tape and Reel", Pricing 1="1=0.1, 10=0.02, 50=0.02, 100=0.012, 1000=0.009, 5000=0.005, 10000=0.005, 25000=0.004 (USD)", Reach SVHC Compliant=Yes, Reference Standard=AEC-Q200, RoHS=Yes, RoHS Compliant=Yes, Size Code=0603, Stock 1=221599, Supplier 1=Mouser, Technology="METAL GLAZE/THICK FILM", Terminal Finish=Nickel, Termination=Wraparound